# Allegro board STARRYSKY.brd (continued)
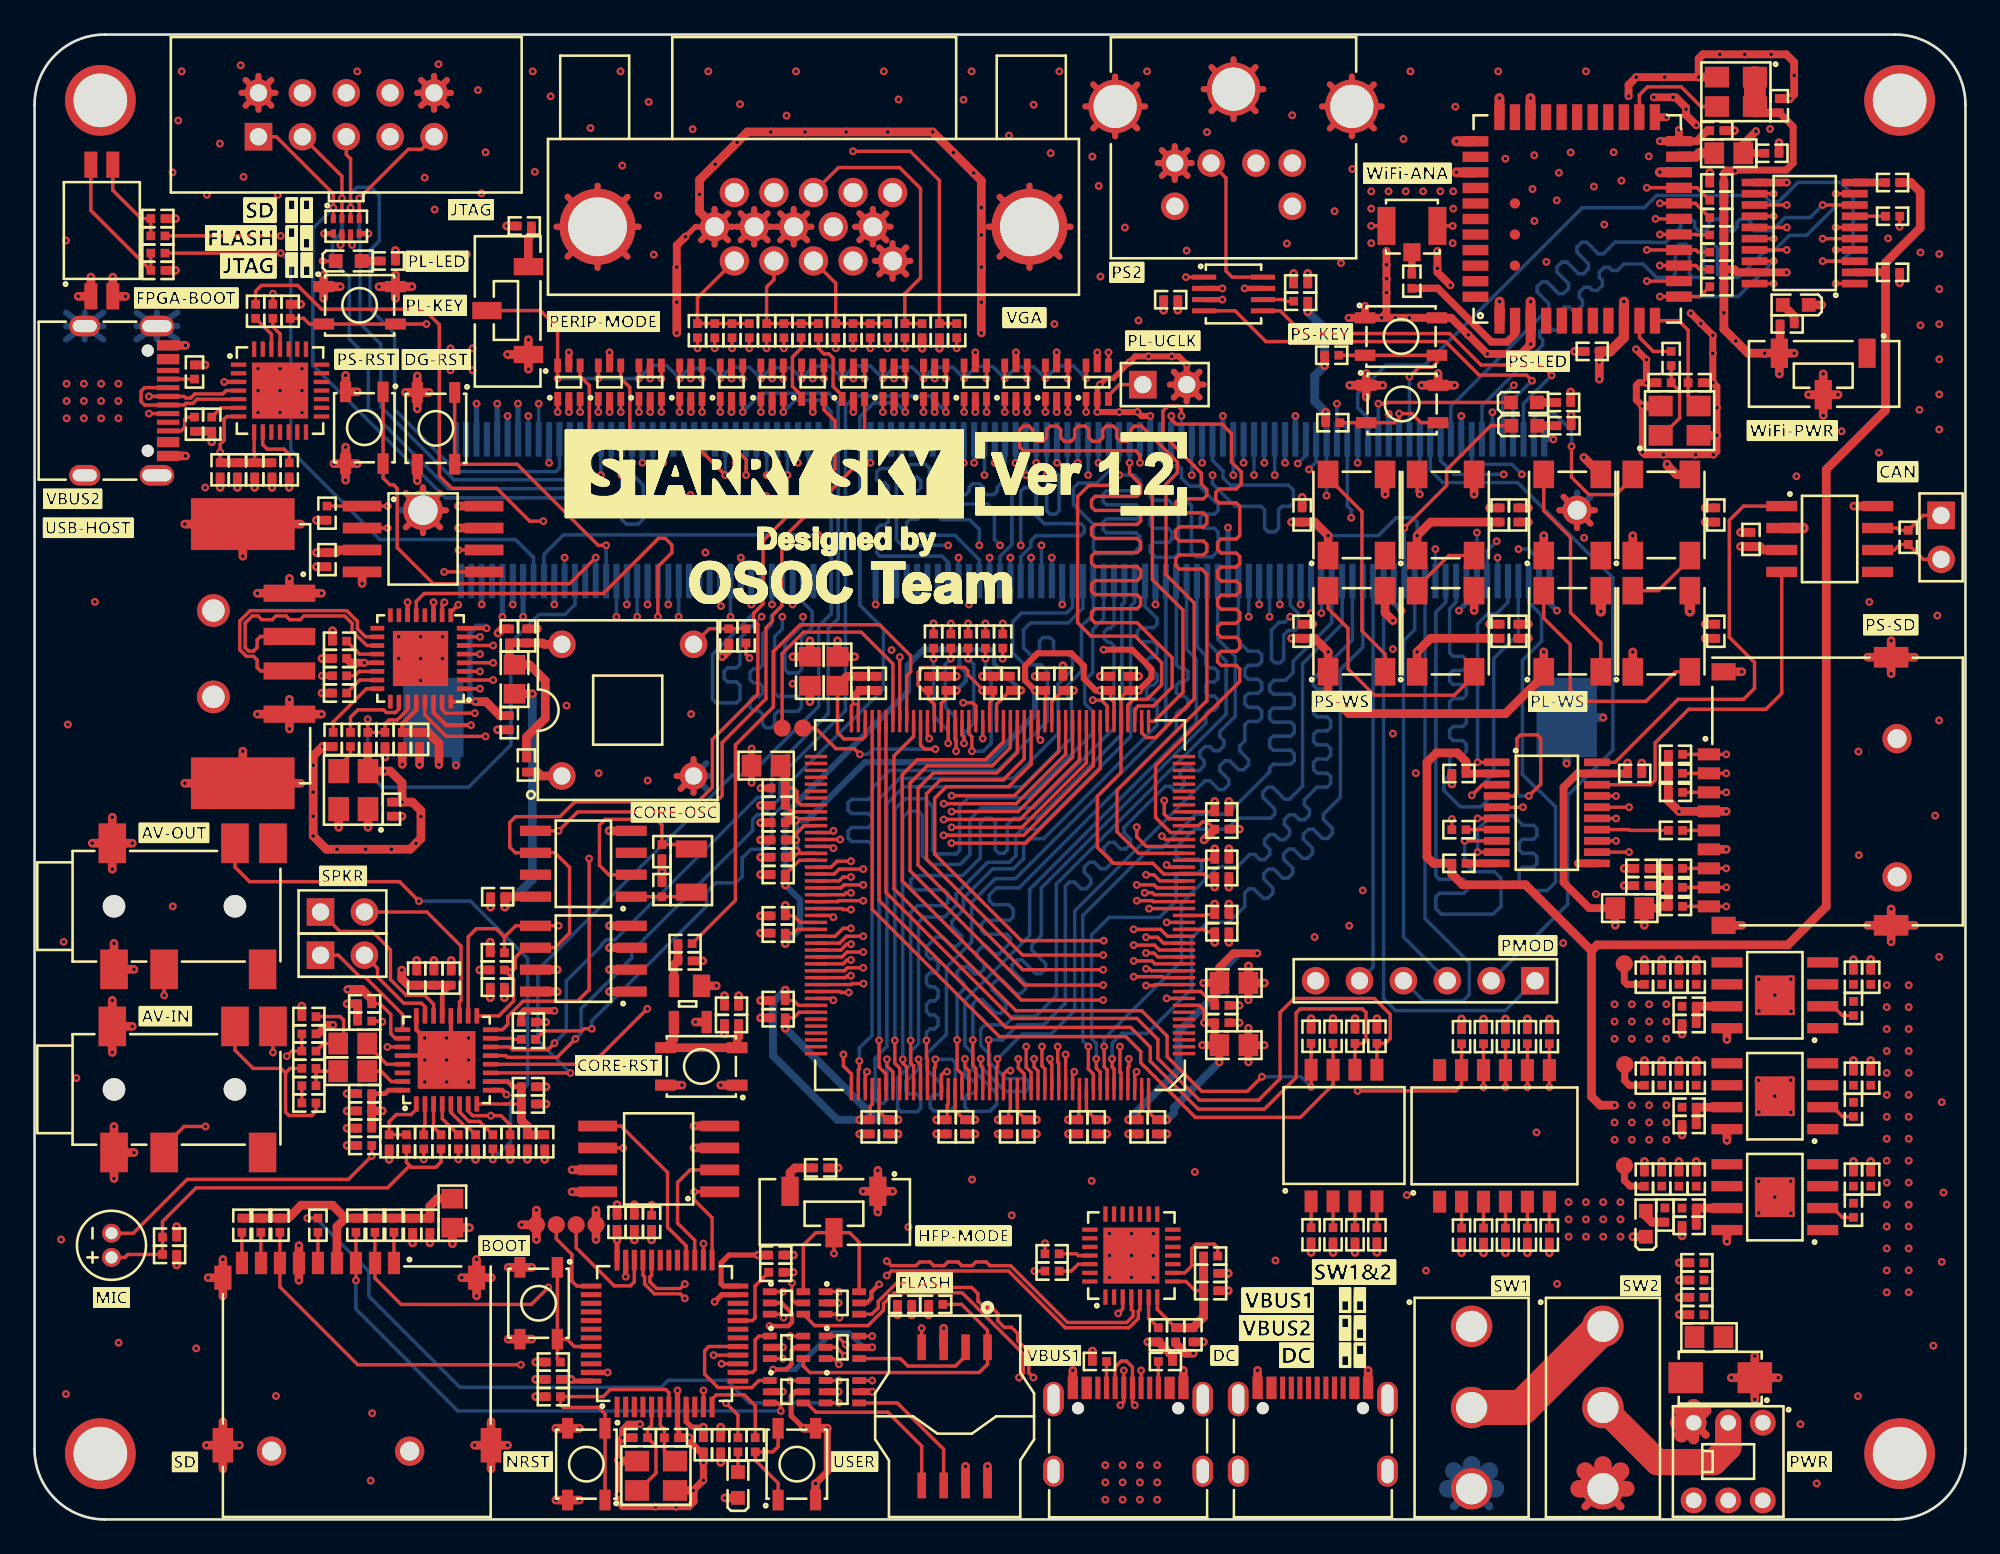
[diagram p0: board, top side]
## Routing (per net, layer and track width the routed paths; a pad name or vN(x,y) marks a point on that pad's centre or on a via; arc(x,y) is an arc through that point) (continued)
  PWR04 w0.305: v1(49.6,50.33) 48.67,49.39 44.43,49.39 v1(43.89,49.94)
  PWR04 w0.406: v1(43.87,48.38) 43.87,41.18 v1(42.02,39.33) ; v1(83.32,59.34) 81.72,57.74 81.72,53.59 81.2,53.07 81.2,44.24 82.03,43.41 v1(82.03,42.57) ; v1(79.95,43.2) 78.62,44.53 v1(78.62,45.49) v1(78.62,50.38) v1(78.62,52.03) 78.62,52.11 v1(79.11,52.61) 79.11,56.65 78.72,57.05 78.72,57.82 79.13,58.23 80.01,58.23 84.3,62.52 v1(87.91,62.52)
  GND05 w0.356: J9.10 23.12,83.56 ; J9.10 24.1,82.58 ; J9.10 23.86,81.84 ; J9.10 22.38,81.84 ; J9.10 22.38,83.32 ; J9.10 22.14,82.58 ; J9.10 23.86,83.32 ; J9.10 23.12,81.6 ; J15.2 67.66,65.69 ; J15.2 65.94,64.95 ; J15.2 66.69,64.71 ; J15.2 67.43,64.95 ; J15.2 65.94,66.43 ; J15.2 67.43,66.43 ; J15.2 65.71,65.69 ; J15.2 66.69,66.67 ; 69.67,1.71 J3.3 ; J3.3 69.67,3.87 ; J3.3 68.89,2.79 ; J3.3 70.45,2.79 ; J3.3 68.89,1.71 ; J3.3 70.45,1.71 ; J3.3 70.45,3.87 ; J3.3 68.89,3.87 ; 32.58,72.45 J14.17 ; J14.17 34.32,73.1 ; J14.17 34.96,74.83 ; J14.17 30.21,74.83 ; J14.17 30.85,76.56 ; J14.17 34.32,76.56 ; J14.17 32.58,77.21 ; J14.17 30.85,73.1 ; 58.2,2.79 J1.3 ; J1.3 58.97,3.87 ; J1.3 59.75,3.87 ; J1.3 58.97,1.71 ; J1.3 58.2,1.71 ; J1.3 59.75,1.71 ; J1.3 59.75,2.79 ; J1.3 58.2,3.87 ; 7.08,68.3 J8.1 ; J8.1 8.26,69.86 ; J8.1 8.26,69.08 ; J8.1 5.9,69.86 ; J8.1 8.26,68.3 ; J8.1 5.9,69.08 ; J8.1 5.9,68.3 ; J8.1 7.08,69.86 ; 78.31,1.71 J3.4 ; J3.4 79.09,1.71 ; J3.4 79.09,2.79 ; J3.4 77.53,2.79 ; J3.4 78.31,3.87 ; J3.4 79.09,3.87 ; J3.4 77.53,1.71 ; J3.4 77.53,3.87 ; J20.MP4 89.28,59.45 ; J20.MP4 90.31,58.42 ; J20.MP4 90.06,59.2 ; J20.MP4 88.5,59.2 ; J20.MP4 90.06,57.64 ; J20.MP4 88.5,57.64 ; J20.MP4 88.25,58.42 ; J20.MP4 89.28,57.39 ; J13.8 76.25,83.52 ; J13.8 76.25,80.07 ; J13.8 74.97,80.52 ; J13.8 77.52,83.07 ; J13.8 77.97,81.79 ; J13.8 74.97,83.07 ; J13.8 74.52,81.79 ; J13.8 77.52,80.52 ; J2.4 38.14,44.02 ; J2.4 38.88,42.29 ; J2.4 37.4,42.29 ; J2.4 37.16,43.04 ; J2.4 39.12,43.04 ; J2.4 38.88,43.78 ; J2.4 38.14,42.06 ; J3.1 70.45,8.15 ; J3.1 68.89,6.97 ; J3.1 70.45,5.79 ; J3.1 69.67,8.15 ; J3.1 69.67,5.79 ; J3.1 68.89,8.15 ; J3.1 68.89,5.79 ; J3.1 70.45,6.97 ; J3.2 79.09,8.15 ; J3.2 79.09,5.79 ; J3.2 77.53,8.15 ; J3.2 77.53,6.97 ; J3.2 77.53,5.79 ; J3.2 78.31,5.79 ; J3.2 78.31,8.15 ; J3.2 79.09,6.97 ; 12.96,81.6 J9.2 ; J9.2 12.22,81.84 ; J9.2 13.7,83.32 ; J9.2 12.22,83.32 ; J9.2 11.98,82.58 ; J9.2 13.94,82.58 ; J9.2 12.96,83.56 ; J9.2 13.7,81.84 ; 55.85,73.1 J14.16 ; J14.16 55.85,76.56 ; J14.16 55.21,74.83 ; J14.16 59.96,74.83 ; J14.16 57.59,72.45 ; J14.16 57.59,77.21 ; J14.16 59.32,73.1 ; J14.16 59.32,76.56 ; J1.1 59.75,6.97 ; J1.1 59.75,8.15 ; J1.1 58.2,5.79 ; J1.1 58.97,5.79 ; J1.1 58.2,6.97 ; J1.1 59.75,5.79 ; J1.1 58.97,8.15 ; J1.4 68.39,2.79 ; J1.4 66.84,1.71 ; J1.4 66.84,3.87 ; J1.4 67.62,1.71 ; J1.4 66.84,2.79 ; J1.4 67.62,3.87 ; J1.4 68.39,3.87 ; J1.4 68.39,1.71 ; J14.7 42.43,74.05 ; J14.7 42.43,75.61 ; J14.7 40.62,74.83 ; J14.7 40.87,74.05 ; J14.7 41.65,73.8 ; J14.7 40.87,75.61 ; J14.7 41.65,75.86 ; J14.7 42.68,74.83 ; J8.3 3.98,68.3 ; J8.3 1.82,69.08 ; J8.3 3.98,69.08 ; J8.3 1.82,69.86 ; J8.3 1.82,68.3 ; J8.3 2.9,69.86 ; J8.3 3.98,69.86 ; J8.3 2.9,68.3 ; 68.12,84.07 J13.7 ; J13.7 70.67,84.07 ; J13.7 71.12,82.79 ; J13.7 69.4,84.52 ; J13.7 68.12,81.52 ; J13.7 69.4,81.06 ; J13.7 67.67,82.79 ; J13.7 70.67,81.52 ; J14.8 43.94,75.86 ; J14.8 44.72,74.05 ; J14.8 44.97,74.83 ; J14.8 43.16,74.05 ; J14.8 43.16,75.61 ; J14.8 44.72,75.61 ; J14.8 42.91,74.83 ; J14.8 43.94,73.8 ; 65.02,78.52 J13.3 ; J13.3 66.74,79.26 ; J13.3 66.97,78.52 ; J13.3 66,79.49 ; J13.3 65.25,77.77 ; J13.3 66,77.54 ; J13.3 66.74,77.77 ; J13.3 65.25,79.26 ; 7.08,59.66 J8.2 ; J8.2 8.26,60.44 ; J8.2 8.26,59.66 ; J8.2 5.9,61.22 ; J8.2 5.9,59.66 ; J8.2 8.26,61.22 ; J8.2 5.9,60.44 ; J8.2 7.08,61.22 ; J13.9 64.27,81.79 ; J13.9 61.27,80.52 ; J13.9 60.82,81.79 ; J13.9 61.27,83.07 ; J13.9 62.55,83.52 ; J13.9 63.82,80.52 ; J13.9 63.82,83.07 ; J13.9 62.55,80.07 ; J20.MP3 22.48,59.75 ; J20.MP3 21.15,58.42 ; J20.MP3 21.49,59.41 ; J20.MP3 23.81,58.42 ; J20.MP3 22.48,57.09 ; J20.MP3 21.49,57.43 ; J20.MP3 23.47,59.41 ; J20.MP3 23.47,57.43 ; J14.5 49.66,73.88 ; J14.5 49.66,71.82 ; J14.5 50.69,72.85 ; J14.5 50.44,73.63 ; J14.5 48.89,72.07 ; J14.5 48.89,73.63 ; J14.5 48.64,72.85 ; J14.5 50.44,72.07 ; 1.82,59.66 J8.4 ; J8.4 2.9,59.66 ; J8.4 1.82,60.44 ; J8.4 2.9,61.22 ; J8.4 3.98,61.22 ; J8.4 3.98,59.66 ; J8.4 1.82,61.22 ; J8.4 3.98,60.44 ; J14.10 48.52,75.86 ; J14.10 47.74,74.05 ; J14.10 48.52,73.8 ; J14.10 49.55,74.83 ; J14.10 47.49,74.83 ; J14.10 49.3,75.61 ; J14.10 47.74,75.61 ; J14.10 49.3,74.05 ; J14.6 40.14,74.05 ; J14.6 39.36,75.86 ; J14.6 38.33,74.83 ; J14.6 40.39,74.83 ; J14.6 40.14,75.61 ; J14.6 38.58,74.05 ; J14.6 39.36,73.8 ; J14.6 38.58,75.61 ; 66.84,5.79 J1.2 ; J1.2 68.39,6.97 ; J1.2 67.62,5.79 ; J1.2 68.39,5.79 ; J1.2 66.84,8.15 ; J1.2 67.62,8.15 ; J1.2 68.39,8.15 ; J1.2 66.84,6.97
  BOTTOM w0.305: J20.203 v1(87.91,62.52) ; J20.38 v1(35.48,52.96) ; J20.156 v1(73.28,52.96) ; J20.187 v1(82.58,63.88) ; J20.142 v1(69.08,57.42) ; J20.11 v1(27.38,63.88) ; v1(79.11,52.61) 78.68,53.04 J20.174 ; v1(88.11,52.61) 87.68,53.04 J20.204 ; J20.91 v1(53.78,61.16) ; J20.127 v1(64.58,63.88) ; J20.13 v1(27.98,64.59) ; J20.109 v1(59.18,61.16) ; J20.173 v1(78.38,63.99) ; J20.74 v1(48.68,52.96) ; J20.155 v1(72.98,63.88) ; J20.5 v1(25.58,64.59) ; J20.128 v1(64.88,52.96) ; J20.19 v1(29.78,61.16) ; J20.141 v1(68.78,63.88) ; v1(82.45,52.61) 82.88,53.04 J20.188 ; J20.55 v1(40.58,61.16) ; J20.92 v1(54.08,52.96) ; J20.14 v1(28.28,52.25) ; J20.6 v1(25.88,52.96) ; J20.110 v1(59.48,52.96) ; J20.20 v1(30.08,52.96) ; J20.12 v1(27.68,52.96) ; J20.56 v1(40.88,55.68) ; J20.10 v1(27.08,52.25) ; J20.73 v1(48.38,61.16) ; J20.9 v1(26.78,64.59) ; J20.37 v1(35.18,61.16)
  BOTTOM w0.356: 68.12,84.07 J13.7 ; J13.7 67.67,82.79 ; J13.7 68.12,81.52 ; J13.7 70.67,81.52 ; J13.7 69.4,81.06 ; J13.7 70.67,84.07 ; J13.7 71.12,82.79 ; J13.7 69.4,84.52 ; J14.6 40.14,74.05 ; J14.6 39.36,75.86 ; J14.6 40.14,75.61 ; J14.6 38.33,74.83 ; J14.6 40.39,74.83 ; J14.6 39.36,73.8 ; J14.6 38.58,75.61 ; J14.6 38.58,74.05 ; J14.7 42.43,74.05 ; J14.7 41.65,73.8 ; J14.7 40.87,75.61 ; J14.7 42.43,75.61 ; J14.7 42.68,74.83 ; J14.7 41.65,75.86 ; J14.7 40.87,74.05 ; J14.7 40.62,74.83 ; 47.74,75.61 J14.10 ; J14.10 49.55,74.83 ; J14.10 48.52,73.8 ; J14.10 48.52,75.86 ; J14.10 49.3,74.05 ; J14.10 47.49,74.83 ; J14.10 49.3,75.61 ; J14.10 47.74,74.05 ; 1.82,69.08 J8.3 ; J8.3 1.82,68.3 ; J8.3 3.98,68.3 ; J8.3 2.9,68.3 ; J8.3 3.98,69.86 ; J8.3 1.82,69.86 ; J8.3 3.98,69.08 ; J8.3 2.9,69.86 ; 88.5,59.2 J20.MP4 ; J20.MP4 90.06,57.64 ; J20.MP4 88.25,58.42 ; J20.MP4 90.31,58.42 ; J20.MP4 89.28,59.45 ; J20.MP4 90.06,59.2 ; J20.MP4 89.28,57.39 ; 61.27,83.07 J13.9 ; J13.9 60.82,81.79 ; J13.9 62.55,80.07 ; J13.9 61.27,80.52 ; J13.9 64.27,81.79 ; J13.9 62.55,83.52 ; J13.9 63.82,80.52 ; J13.9 63.82,83.07 ; 43.16,75.61 J14.8 ; J14.8 42.91,74.83 ; J14.8 44.97,74.83 ; J14.8 43.16,74.05 ; J14.8 43.94,73.8 ; J14.8 44.72,74.05 ; J14.8 43.94,75.86 ; J14.8 44.72,75.61 ; J9.10 23.86,81.84 ; J9.10 23.12,83.56 ; J9.10 22.14,82.58 ; J9.10 23.86,83.32 ; J9.10 23.12,81.6 ; J9.10 22.38,83.32 ; J9.10 22.38,81.84 ; J9.10 24.1,82.58 ; J15.2 67.66,65.69 ; J15.2 67.43,66.43 ; J15.2 65.94,66.43 ; J15.2 65.94,64.95 ; J15.2 66.69,66.67 ; J15.2 67.43,64.95 ; J15.2 65.71,65.69 ; J15.2 66.69,64.71 ; J14.16 59.96,74.83 ; J14.16 59.32,76.56 ; J14.16 55.85,73.1 ; J14.16 55.85,76.56 ; J14.16 55.21,74.83 ; J14.16 57.59,72.45 ; J14.16 59.32,73.1 ; J14.16 57.59,77.21 ; 74.52,81.79 J13.8 ; J13.8 77.52,80.52 ; J13.8 76.25,80.07 ; J13.8 76.25,83.52 ; J13.8 74.97,80.52 ; J13.8 74.97,83.07 ; J13.8 77.97,81.79 ; J13.8 77.52,83.07 ; 12.22,81.84 J9.2 ; J9.2 13.7,83.32 ; J9.2 13.94,82.58 ; J9.2 12.96,83.56 ; J9.2 11.98,82.58 ; J9.2 12.22,83.32 ; J9.2 12.96,81.6 ; J9.2 13.7,81.84 ; 48.89,73.63 J14.5 ; J14.5 50.44,73.63 ; J14.5 48.64,72.85 ; J14.5 49.66,73.88 ; J14.5 48.89,72.07 ; J14.5 49.66,71.82 ; J14.5 50.69,72.85 ; J14.5 50.44,72.07 ; 30.85,76.56 J14.17 ; J14.17 30.85,73.1 ; J14.17 34.96,74.83 ; J14.17 34.32,76.56 ; J14.17 32.58,72.45 ; J14.17 34.32,73.1 ; J14.17 32.58,77.21 ; J14.17 30.21,74.83 ; 65.02,78.52 J13.3 ; J13.3 65.25,79.26 ; J13.3 66.74,77.77 ; J13.3 66,77.54 ; J13.3 66.97,78.52 ; J13.3 65.25,77.77 ; J13.3 66.74,79.26 ; J13.3 66,79.49 ; J20.MP3 22.48,59.75 ; J20.MP3 21.15,58.42 ; J20.MP3 23.47,57.43 ; J20.MP3 21.49,57.43 ; J20.MP3 23.81,58.42 ; J20.MP3 21.49,59.41 ; 5.9,69.08 J8.1 ; J8.1 5.9,69.86 ; J8.1 5.9,68.3 ; J8.1 8.26,69.86 ; J8.1 8.26,69.08 ; J8.1 8.26,68.3 ; J8.1 7.08,68.3 ; J8.1 7.08,69.86 ; J2.4 38.88,43.78 ; J2.4 38.88,42.29 ; J2.4 38.14,44.02 ; J2.4 37.4,42.29 ; J2.4 38.14,42.06 ; J2.4 37.16,43.04 ; J2.4 39.12,43.04
  BOTTOM w0.508: J20.MP1 23.75,46.42 24.39,45.78 v1(24.39,43.65) ; v1(90.79,46.42) J20.MP2 v1(88.68,43.76)
  vias: v1(1.54,16.2) v1(1.68,33.43) v1(1.82,74.03) v1(1.82,7.26) v1(1.93,46.02) v1(2.42,25.55) v1(3.49,53.12) v1(4.86,10.23) v1(7.99,77.98) v1(8,35.49) v1(8.31,80.98) v1(8.51,83.82) v1(9.35,9.9) v1(9.98,76.68) v1(10.73,79.64) v1(11.93,84.17) v1(12.1,77.72) v1(12.94,66.62) v1(12.94,65.35) v1(12.94,64.08) v1(13.97,7.15) v1(14.09,76.67) v1(14.21,66.62) v1(14.21,65.35) v1(14.21,64.08) v1(15.48,66.62) v1(15.48,65.35) v1(15.48,64.08) v1(18.67,83.82) v1(19.54,6.15) v1(19.45,2.25) v1(21.07,51.1) v1(21.07,49.83) v1(22.34,51.1) v1(22.34,49.83) v1(22.34,48.56) v1(22.58,77.67) v1(23.15,75.82) v1(23.38,84.24) v1(23.61,51.1) v1(23.61,49.83) v1(25.02,73.24) v1(25.66,82.74) v1(25.87,76.76) v1(26.1,79.14) v1(28.83,83.82) v1(28.96,78.01) v1(29.87,82.38) v1(30.79,47.11) v1(32.18,80.54) v1(32.65,43.2) v1(33.91,83.82) v1(34.01,78.37) v1(35.55,82.05) v1(35.49,42.77) v1(35.84,73.22) v1(36.09,76.63) v1(37.96,59.31) v1(38,46.62) v1(38.09,80.48) v1(38.83,55.97) v1(38.99,83.82) v1(40.05,58.25) v1(40.83,81.92) v1(42.34,59.24) v1(43.53,81.26) v1(44.07,83.82) v1(49.15,83.82) v1(50.01,82.2) v1(50.58,16.92) v1(53.77,82.18) v1(54.23,83.82) v1(54.26,19.68) v1(56.4,80.11) v1(56.56,17.6) v1(57.83,81.89) v1(58.81,79.09) v1(59.31,83.82) v1(61.23,78.89) v1(61.18,19.6) v1(61.59,77.19) v1(61.69,71.95) v1(62.22,16.55) v1(62.22,15.28) v1(62.22,14.01) v1(63.11,74.78) v1(63.49,16.55) v1(63.49,15.28) v1(63.49,14.01) v1(63.89,69.4) v1(64.39,83.82) v1(64.76,16.55) v1(64.76,15.28) v1(64.76,14.01) v1(66.68,73.45) v1(67.16,20.12) v1(67.86,80.3) v1(71.82,14.99) v1(72.48,73.86) v1(72.79,81.28) v1(74.09,33.71) v1(75.25,75.73) v1(75.62,72.73) v1(76.09,34.37) v1(76.27,78.17) v1(76.88,36.41) v1(77.37,76.88) v1(77.37,75.88) v1(77.37,73.88) v1(78.37,76.88) v1(79.23,79.91) v1(79.37,76.88) v1(79.43,18.78) v1(79.63,83.82) v1(80.37,76.88) v1(80.54,14.41) v1(81.37,76.88) v1(82.11,76.88) v1(82.11,75.88) v1(82.08,73.88) v1(82.24,81.78) v1(84.71,83.82) v1(85.13,78.77) v1(86.7,77.01) v1(86.8,78.97) v1(86.81,75.16) v1(86.93,22.41) v1(87.5,72.8) v1(88.11,76.36) v1(88.12,13.64) v1(88.23,77.95) v1(88.47,33.36) v1(88.91,79.13) v1(89.79,83.82) v1(90.25,77.16) v1(90.37,36.2) v1(90.86,74.96) v1(91.4,79.14) v1(91.85,77.5) v1(93.43,78.9) v1(99.8,31.27) v1(99.81,29.43) v1(99.79,25.42) v1(99.8,23.58) v1(99.79,19.58) v1(99.8,17.74) v1(100.45,80.49) v1(100.73,30.35) v1(100.72,24.5) v1(100.73,18.66) v1(101.64,25.42) v1(101.65,19.58) v1(101.65,31.27) v1(101.67,29.42) v1(101.66,23.57) v1(101.66,17.72) v1(101.98,60.39) v1(102.21,5.51) v1(103.15,2.08) v1(105.54,7.14) v1(105.56,44.45) v1(105.59,38.46) v1(106.2,53.11) v1(109.1,64.23) v1(109.91,10.06) v1(110.01,40.74) v1(110.13,52.32) v1(110.24,46.25) v1(110.24,32.56) v1(110.39,24.16) v1(110.39,14.91) v1(110.49,18.92)
VCC_1V2: length 5.2
  TOP w0.406: TP3.1 92.01,31.15 92.2,30.96 92.21,30.97 C17.1
  TOP w0.457: L3.1 v1(70.26,30.06)
  TOP w0.508: v1(71.18,31.05) L3.1 v1(70.26,32.04)
  vias: v1(91.45,29.82) v1(91.45,28.82) v1(91.45,27.82) v1(92.45,29.82) v1(92.45,28.82) v1(92.45,27.82) v1(93.45,29.82) v1(93.45,28.82) v1(93.45,27.82) v1(94.45,29.82) v1(94.45,28.82) v1(94.45,27.82)
VCC_1V8: length 229.3
  TOP w0.203: 92.01,25.42 92.04,25.45
  TOP w0.254: U18.11 v1(23.09,53.09) ; U18.8 v1(26.16,51.59) ; U18.30 23.09,46.71 23.82,45.98 v1(25.26,45.98) ; U18.32 v1(25.53,47.34) ; U18.14 v1(21.59,53.09) ; U18.28 22.09,46.87 21.29,46.06 C90.1
  TOP w0.406: 92.04,25.45 TP2.1 ; 92.01,25.42 92.3,25.13 C10.1
  TOP w0.457: C83.2 U16.2 ; U19.2 C95.2
  TOP w0.508: 90.11,32.92 86.3,36.74 82.66,36.74 82.03,37.37 R72.1 80.96,37.98 80.59,38.35 80.59,43.82 81.14,44.37 82.34,44.37 82.85,43.87 C83.2 ; 90.11,32.92 90.45,33.26 101.49,33.26 103.7,35.48 103.7,60.78 107.13,64.21 C95.2 107.13,72.75 109.14,74.76 109.14,76.85 108.61,77.39 R91.1 ; 90.11,32.92 90.11,24.49 90.62,23.98 v1(91.45,23.98) ; v1(23.41,43.7) 23.41,44.92 22.77,45.56 C91.1 C90.1 ; C92.1 26.93,46.53 26.12,47.34 v1(25.53,47.34)
  ART03 w0.457: v1(21.59,53.09) v1(23.09,53.09)
  ART03 w0.508: v1(23.41,43.7) 24.83,45.12 24.83,45.55 v1(25.26,45.98) 24.78,46.45 24.78,47.14 24.99,47.34 v1(25.53,47.34)
  ART03 w1.016: v1(21.59,53.09) 20.21,51.71 20.21,48.46 23.41,45.27 v1(23.41,43.7) 23.41,42.74 24.95,41.19 33.14,41.19 34.12,40.22 34.12,40.14 34.15,40.1 34.15,26.48 36.47,24.17 48.03,24.17 49.03,23.17 49.03,21.44 57.63,12.83 65.26,12.83 72.95,20.53 90,20.53 v1(91.45,21.98)
  BOTTOM w0.305: v1(26.16,51.59) 26.04,51.71 25.59,51.71 25.2,51.32 25.2,47.66 v1(25.53,47.34)
  vias: v1(91.45,22.98) v1(92.45,23.98) v1(92.45,22.98) v1(92.45,21.98) v1(93.45,23.98) v1(93.45,22.98) v1(93.45,21.98) v1(94.45,23.98) v1(94.45,22.98) v1(94.45,21.98)
VCC_3V3: length 282.3
  TOP w0.203: v1(43.84,13.7) 43.84,12.74 44.05,12.53 U7.5
  TOP w0.254: v1(42.74,8.68) 43.51,8.68 43.82,8.99 43.82,9.76 44.02,9.96 U9.5 ; U18.21 v1(19.09,49.59) ; U6.5 48.17,12.53 48.44,12.81 48.44,13.17 v1(48.88,13.61)
  TOP w0.305: RN1.5 v1(19.32,74.43) ; v1(38.71,5.34) 38.03,5.34 37.71,5.66 U13.9 ; v1(33.71,16.18) U13.36 ; v1(18.38,73.77) 18.29,73.86 RN1.6 ; RN1.8 v1(16.76,74.43) ; U11.5 44.03,7.39 43.79,7.16 43.79,6.01 v1(44.52,5.28) ; U13.48 31.15,8.01 v1(31.05,8.11) ; RN1.7 17.79,73.86 v1(17.7,73.77) ; v1(41.88,15.31) 40.19,15.31 39.74,14.85 39.74,13.65 39.88,13.51 U13.24 ; U22.3 v1(68.75,70.61)
  TOP w0.406: U30.5 v1(40.34,66.04) ; U28.5 v1(56.8,67.56) ; v1(41.5,44.62) L4.2 v1(41.5,42.64) ; U10.5 v1(48.48,7.39) ; v1(45.88,5.28) 45.88,2.76 v1(45.2,2.08) ; U25.5 v1(49.75,66.04) ; U31.5 v1(42.69,66.04) ; U12.5 v1(48.48,9.96) ; U26.5 v1(52.1,66.04) ; U36.5 v1(35.63,66.04) ; U39.5 v1(59.16,67.56) ; U37.5 v1(37.98,66.04) ; C1.1 92.35,19.29 92.02,19.62 TP1.1 ; U32.5 v1(45.04,66.04) ; U35.5 v1(33.28,67.56) ; U27.5 v1(54.45,67.56) ; U33.5 v1(47.39,66.04) ; U38.5 v1(61.51,67.56) ; U34.5 v1(30.93,67.56)
  TOP w0.457: L8.2 89.99,35.39 88.5,36.87 88.5,42.38 89.3,43.18 U16.19 C84.1 ; C94.1 18.31,49.59 v1(19.09,49.59) ; L2.1 v1(70.26,28.44) ; L2.1 v1(71.18,27.45) ; L2.1 v1(70.26,26.46)
  TOP w0.508: SW16.2 v1(102.67,65.11) ; SW16.2 v1(103.53,63.9) ; SW16.2 v1(104.39,65.11) ; SW16.2 v1(103.53,66.31) ; R105.1 v1(16.32,57.84) ; R79.1 v1(20.29,44.13) ; R101.1 v1(20.89,73.46) ; R15.1 v1(73.89,15.46) ; R57.1 v1(35.71,16.18) ; R31.1 v1(82.6,15.44) ; C77.1 v1(49.95,11.84) ; R39.1 v1(87.68,15.44) ; v1(45.88,5.28) SW10.4 v1(44.52,5.28) ; v1(28.77,14.59) SW9.3 v1(27.41,14.59) ; R88.2 v1(74.73,64.1) ; R32.1 v1(83.87,15.44) ; J5.3 v1(52.62,11.07) ; R89.2 v1(74.67,66.78) ; U21.8 v1(30.26,30.56) ; R64.2 v1(8.16,72.3) ; R22.1 v1(77.7,15.46) ; C73.2 v1(33.71,16.18) ; C76.1 v1(38.71,5.34) ; C84.1 v1(92.21,43.79) ; C75.2 v1(39.71,5.34) ; X2.1 v1(19.3,40.06) ; v1(46.48,50.86) L6.2 v1(47.47,49.94) ; R100.1 v1(73.69,69.91) ; v1(32.5,17.91) TP6.1 v1(32.5,16.2) ; v1(24.18,15.96) L7.2 v1(25.17,16.89) ; C89.1 v1(21.27,40.71) ; R85.1 v1(88.94,63.92) ; R86.1 v1(88.91,65.27) ; C78.1 v1(34.71,16.18) ; R20.1 v1(76.43,15.46) ; C109.2 v1(66.17,70) ; U23.8 C112.1 v1(27.22,35.44) ; X2.4 v1(17.6,40.06) ; U14.8 v1(31.11,18.96) ; SW10.3 v1(45.2,2.08) ; v1(28.77,10.44) SW9.4 v1(27.41,10.44) ; R120.1 v1(27.33,74.87) ; R56.1 v1(51.75,11.84) ; U14.7 v1(31.11,20.23) ; C38.1 v1(39.93,30.32) ; R123.1 v1(29.53,20.84) ; U5.4 v1(38.25,28.79) ; R102.2 v1(25.76,31.81) ; R41.1 v1(46.52,20.35) ; C70.2 v1(31.05,8.11) ; C108.1 v1(27.19,30.2) ; R18.1 v1(38.67,32.33) ; R19.1 v1(75.16,15.46) ; R25.1 v1(39.93,28.1) ; L8.2 v1(91.49,34.39) ; R37.1 v1(86.41,15.44) ; J5.7 v1(53.89,3.07) ; v1(16.32,55.97) C114.1 17.45,55.97 17.61,56.12 U24.3 ; R60.2 v1(8.16,75.3) ; R121.2 v1(18.09,22.65) ; R103.2 v1(26.37,33.42) ; C79.2 v1(41.88,15.31) ; R35.1 v1(85.14,15.44) ; U24.7 v1(24.54,57.39) ; R104.2 v1(15.41,70.34) ; U14.3 v1(38.17,21.5) ; U24.8 v1(24.54,58.66) ; L1.2 v1(28.81,47.79) ; J5.8 v1(55.16,3.07)
  ART03 w0.457: v1(16.32,57.84) 17.28,57.84 20.31,60.87 23.29,60.87 24.54,59.63 v1(24.54,58.66) v1(24.54,57.39) ; v1(43.84,13.7) 43.82,13.72 43.68,13.72 42.51,14.89 42.29,14.89 v1(41.88,15.31)
  ART03 w0.762: v1(41.88,15.31) 41.88,17.22 43.01,18.35 45.6,18.35 46.52,19.27 v1(46.52,20.35) 45.36,21.5 v1(38.17,21.5)
  ART03 w1.016: v1(110.24,73.25) v1(110.24,71.22) v1(110.24,69.19) v1(110.24,67.16) v1(110.24,65.12) v1(110.24,63.09) 110.24,61.79 103.71,55.26 103.71,23.72 102.69,22.7 101.59,22.7 96.26,17.37 v1(91.79,17.37)
  PWR04 w0.305: v1(38.67,32.33) 38.67,40.16 41.15,42.64 v1(41.5,42.64) v1(41.5,44.62) 41.5,46.11 40.08,47.54 40.08,49.39 40.34,49.65 40.34,50.59 41.21,51.45 45.88,51.45 v1(46.48,50.86)
  PWR04 w0.356: J9.4 16.24,81.84 ; J9.4 14.76,81.84 ; J9.4 15.5,81.6 ; J9.4 16.24,83.32 ; J9.4 15.5,83.56 ; J9.4 14.52,82.58 ; J9.4 14.76,83.32 ; J9.4 16.48,82.58
  BOTTOM w0.305: v1(48.48,9.96) 47.97,9.96 47.15,10.79 46.13,10.79 44.02,8.68 v1(42.74,8.68)
  BOTTOM w0.508: v1(27.22,35.44) 28.81,37.04 v1(28.81,47.79) ; v1(73.69,69.91) 74.67,68.93 v1(74.67,66.78) 74.1,66.21 74.1,64.73 v1(74.73,64.1)
  vias: v1(88.79,18.37) v1(88.79,17.37) v1(88.79,16.37) v1(89.79,18.37) v1(89.79,17.37) v1(89.79,16.37) v1(90.79,18.37) v1(90.79,17.37) v1(90.79,16.37) v1(91.79,18.37) v1(91.79,16.37)
VCC_WIFI: length 40.3
  TOP w0.406: C100.1 101.79,80.63 101.79,78.51 101.38,78.11 98.42,78.11 ; 98.42,78.11 v1(98.42,78.07) ; 98.42,78.11 97.94,78.11 97.78,77.95 C96.1
  TOP w0.457: U20.22 v1(95.18,80.44) ; U20.22 96.21,79.78 96.82,80.39 C106.1 ; U20.22 v1(94.07,79.78) ; v1(101.41,72.19) U19.19 98.58,72.19 98.41,72.36 R93.2
  TOP w0.508: SW16.3 v1(101.85,67.51) ; SW16.3 v1(100.13,67.51) 99.18,67.51 v1(98.47,68.22) 97.78,68.91 v1(97.78,69.84) R92.2 R93.2 R94.2 R95.2 R97.2 R98.2 C96.1 ; SW16.3 v1(100.99,66.3) ; SW16.3 100.99,67.86 101.03,67.9 R90.2 ; C100.1 99.94,81.43 X3.4 ; v1(90.57,66) v1(90.57,67) C99.1
  TOP w0.584: v1(91.99,70.5) U20.9 91.99,68.41 91.19,67.61 C99.1
  TOP w1.27: X3.1 X3.4
VDD: length 149.1
  TOP w0.203: U3.50 62.48,47.32 62.29,47.5 C57.1 ; U3.175 64.08,23.77 63.93,23.62 C48.1 ; U3.103 44.23,38.56 v1(44.09,38.69) ; U3.60 58.48,47.46 58.52,47.5 C56.1 ; C40.1 67.82,35.01 67.77,34.96 U3.21 ; C60.1 43.94,34.94 44.31,34.56 U3.113 ; C46.1 67.82,40.96 67.82,40.96 U3.36 ; U3.147 52.88,24.03 52.82,23.97 C42.1 ; U3.68 55.28,47.31 55.48,47.5 C55.1 ; U3.29 67.77,38.16 67.82,38.21 C45.1 ; U3.76 52.08,47.17 51.75,47.5 C59.1 51.46,47.99 51.14,48.31 51.14,49.04 51.42,49.32 53.84,49.32 54.02,49.13 54.02,48.9 54.86,48.05 v1(54.86,47.99) ; U3.166 60.48,23.65 60.44,23.62 C50.1 ; U3.125 44.21,29.76 43.94,30.04 C49.1 ; U3.136 48.48,24.03 48.37,23.92 C44.1 ; U3.10 67.5,30.56 C58.1 ; U3.156 56.48,23.72 56.38,23.62 C41.1 ; U3.98 44.29,40.56 44.2,40.47 v1(44.06,40.47) ; v1(44.06,39.33) 44.06,39.69 44.25,39.88 44.25,39.88 44.54,40.16 U3.99
  TOP w0.356: v1(57.91,47.99) 57.33,48.57 57.33,49.41 58.06,50.14 60,50.14 60.73,49.41 60.73,48.68 61.42,47.99 v1(61.68,47.99)
  TOP w0.457: L3.2 68.58,31.96 69.39,32.77 v1(70.77,32.77) ; L3.2 v1(67.65,31.05) ; L3.2 68.31,30.78 C58.1
  TOP w0.508: C60.1 v1(43.45,35.55) ; C45.1 v1(68.31,38.82) ; C56.1 v1(57.91,47.99) ; C43.1 v1(44.06,39.33) ; v1(44.06,40.47) 43.59,40.47 C39.1 ; C41.1 v1(55.77,23.13) ; C57.1 v1(61.68,47.99) ; C50.1 v1(59.83,23.13) ; C47.1 43.73,38.33 v1(44.09,38.69) ; C55.1 v1(54.86,47.99) ; C46.1 v1(68.31,41.57) ; C48.1 v1(63.32,23.13) ; C40.1 v1(68.31,35.63) ; C49.1 v1(43.45,30.65) ; C42.1 v1(52.21,23.13) ; C44.1 v1(47.76,23.13)
  ART03 w0.406: 69.63,34.59 69.83,34.8 69.83,37.09 68.31,38.61 v1(68.31,38.82) v1(68.31,41.57) ; 69.63,34.59 69.34,34.59 v1(68.31,35.63) ; 69.63,34.59 69.81,34.42 69.81,33.21 v1(67.65,31.05)
  PWR04 w0.457: v1(57.91,47.99) 57.21,47.29 55.57,47.29 v1(54.86,47.99)
  PWR04 w0.508: v1(43.45,30.65) 44.15,31.35 44.15,34.85 v1(43.45,35.55) 44.09,36.19 v1(44.09,38.69) ; v1(47.76,23.13) 48.4,23.77 51.57,23.77 v1(52.21,23.13) 52.85,23.77 55.13,23.77 v1(55.77,23.13) 56.41,23.77 59.2,23.77 v1(59.83,23.13) 60.49,23.79 62.66,23.79 v1(63.32,23.13)
  BOTTOM w0.356: v1(44.09,38.69) 44.09,39.3 v1(44.06,39.33) v1(44.06,40.47) 44.7,40.47 48.06,43.83 55.17,43.83 57.91,46.58 v1(57.91,47.99)
  BOTTOM w0.457: v1(43.45,30.65) 42.74,29.93 42.74,26.85 46.46,23.13 v1(47.76,23.13) ; v1(63.32,23.13) 66.21,26.03 66.21,28.22 68.93,30.94 68.93,32.01 69.69,32.77 v1(70.77,32.77)
VDDIO: length 150.5
  TOP w0.203: C53.1 67.82,37.21 67.68,37.36 U3.27 65.35,37.36 64.73,37.99 62.44,37.99 61.51,38.92 61.51,41.86 62.88,43.23 U3.49 62.88,47.58 C27.1 ; C30.1 60.88,23.7 U3.167 ; U3.137 48.88,23.62 C33.1 ; C52.1 56.88,23.63 U3.157 ; C28.1 67.89,40.37 67.59,40.37 67.38,40.16 U3.34 ; C26.1 55.68,47.19 U3.67 ; U3.104 44.28,38.16 C54.1 ; C32.1 43.94,33.94 44.16,34.16 U3.114 ; U3.59 58.88,47.34 C37.1 ; U3.148 53.28,23.68 C35.1 ; U3.126 44.26,29.36 43.94,29.04 C51.1 ; v1(67.7,28.75) 67.7,29.47 67.41,29.76 U3.8 ; C36.1 67.82,34.01 67.68,34.16 U3.19 ; U3.75 52.48,47.24 52.75,47.5 C31.1 ; U3.176 64.48,23.58 C29.1
  TOP w0.356: v1(61.87,50.35) 63.52,50.35 64.65,49.22 64.65,48.73 v1(63.9,47.99)
  TOP w0.457: L2.2 v1(67.59,27.45) ; L2.2 68.31,27.72 C34.1 v1(67.7,28.75) ; L2.2 v1(68.58,26.46)
  TOP w0.508: C27.1 v1(63.9,47.99) ; C54.1 v1(43.45,36.72) ; C26.1 v1(57.09,47.99) ; C52.1 v1(57.99,23.13) ; C32.1 v1(43.45,33.33) ; C30.1 v1(62.06,23.13) ; C53.1 v1(68.31,36.6) ; C29.1 v1(65.54,23.13) ; C35.1 v1(54.43,23.13) ; C51.1 v1(43.45,28.43) ; C37.1 v1(60.14,47.99) ; C28.1 v1(67.68,39.33) ; C31.1 v1(53.36,47.99) ; C36.1 v1(68.31,33.4) ; C33.1 v1(49.98,23.13)
  ART03 w0.356: v1(60.14,47.99) 60.51,48.37 60.51,48.46 61.87,49.81 v1(61.87,50.35)
  ART03 w0.406: v1(67.59,27.45) 67.59,28.09 67.7,28.2 v1(67.7,28.75) 66.88,29.57 66.88,31.47 68.31,32.9 v1(68.31,33.4) 67.7,34.01 67.7,35.99 v1(68.31,36.6) 67.68,37.23 v1(67.68,39.33)
  PWR04 w0.457: v1(49.98,23.13) 50.33,23.13 51.8,21.67 52.63,21.67 54.1,23.13 v1(54.43,23.13) 54.67,22.9 54.68,22.9 55.02,22.56 55.02,22.24 55.55,21.7 56.26,21.7 57.7,23.13 v1(57.99,23.13) 58.19,23.13 59.64,21.68 60.37,21.68 61.83,23.13 v1(62.06,23.13) 62.22,23.13 62.69,22.67 62.69,22.12 63.08,21.73 64.13,21.73 65.3,22.9 65.3,22.9 v1(65.54,23.13)
  PWR04 w0.508: v1(43.45,33.33) 42.78,32.65 42.78,29.1 v1(43.45,28.43)
  BOTTOM w0.254: v1(53.36,47.99) 53.9,48.53 53.9,49.03 53.53,49.4 53.53,50.17 53.73,50.36 55.38,50.36 55.54,50.21 55.54,49.54 v1(57.09,47.99)
  BOTTOM w0.356: 53.73,50.36 51.45,50.36 50.54,49.45 50.54,47.92 43.45,40.83 v1(43.45,36.72) 44.31,35.87 44.31,34.18 v1(43.45,33.33)
  BOTTOM w0.457: v1(43.45,28.43) 48.74,23.13 v1(49.98,23.13) ; v1(65.54,23.13) 65.95,23.55 65.95,23.84 v1(68.58,26.46)
AUD_ADCDAT: length 57.7
  TOP w0.203: U28.3 v1(57.45,64.1) ; U29.16 27.08,28.35 27.39,28.66 27.39,29.11 28.28,30 31.43,30 32.1,30.67 v1(32.1,38.26)
  ART03 w0.203: v1(57.45,64.1) 56.08,62.73 54.59,62.73 49.49,57.63 43.52,57.63 39.73,53.85 v1(39.73,52.87)
  PWR04 w0.203: v1(39.73,52.87) 39.29,52.42 39.29,42.49 35.06,38.26 v1(32.1,38.26)
AUD_ADCLRC: length 51.5
  TOP w0.203: U25.3 v1(50.4,64.1) ; R126.1 29.49,28.28 31.67,28.28 31.79,28.4 v1(32.25,28.4)
  BOTTOM w0.203: v1(50.4,64.1) 49.88,64.63 48.56,64.63 47.77,63.83 47.77,52.92 49.13,51.56 49.13,48.06 43.73,42.66 43.73,41.74 42.67,40.68 42.67,39.26 42.21,38.79 41.46,38.79 40.95,38.28 40.95,37.21 40.59,36.85 39.43,36.85 38.9,36.32 38.9,35.51 32.25,28.86 v1(32.25,28.4)
AUD_BCLK: length 57.7
  TOP w0.203: v1(35.46,29.56) 32.25,26.35 U29.12 ; U27.3 v1(55.1,64.1)
  ART03 w0.203: v1(55.1,64.1) 49.28,58.28 42.6,58.28 39.28,54.96 39.28,41.9 35.46,38.09 v1(35.46,29.56)
AUD_DACDAT: length 55.4
  TOP w0.203: U30.3 v1(40.99,64.1) ; v1(30.09,27.57) 29.71,27.19 27.67,27.19 27.5,27.35 U29.14
  BOTTOM w0.203: v1(40.99,64.1) 42.07,65.18 45.97,65.18 46.51,64.64 46.51,52.14 45.94,51.56 45.94,46.64 42.67,43.37 42.67,41.99 42.47,41.79 41.83,41.79 33.59,33.55 33.09,33.55 32.82,33.29 32.82,33.22 30.77,31.17 30.77,28.25 v1(30.09,27.57)
AUD_DACLRC: length 55.9
  TOP w0.203: U26.3 v1(52.75,64.1) ; U29.13 27.27,26.85 27.37,26.75 30.25,26.75 v1(31.31,27.81)
  BOTTOM w0.203: v1(31.31,27.81) 31.63,28.14 31.63,29.56 33.09,31.01 33.11,31.01 33.73,31.64 33.73,31.68 34.56,32.51 34.56,32.88 41.56,39.88 41.56,40.52 41.83,40.79 42.17,40.79 43.15,41.77 43.15,43.03 46.94,46.81 46.94,64.47 47.51,65.04 51.81,65.04 v1(52.75,64.1)
